# Altium PCB 2416_smart_charger.PcbDoc (part 1 of 2) (continued)
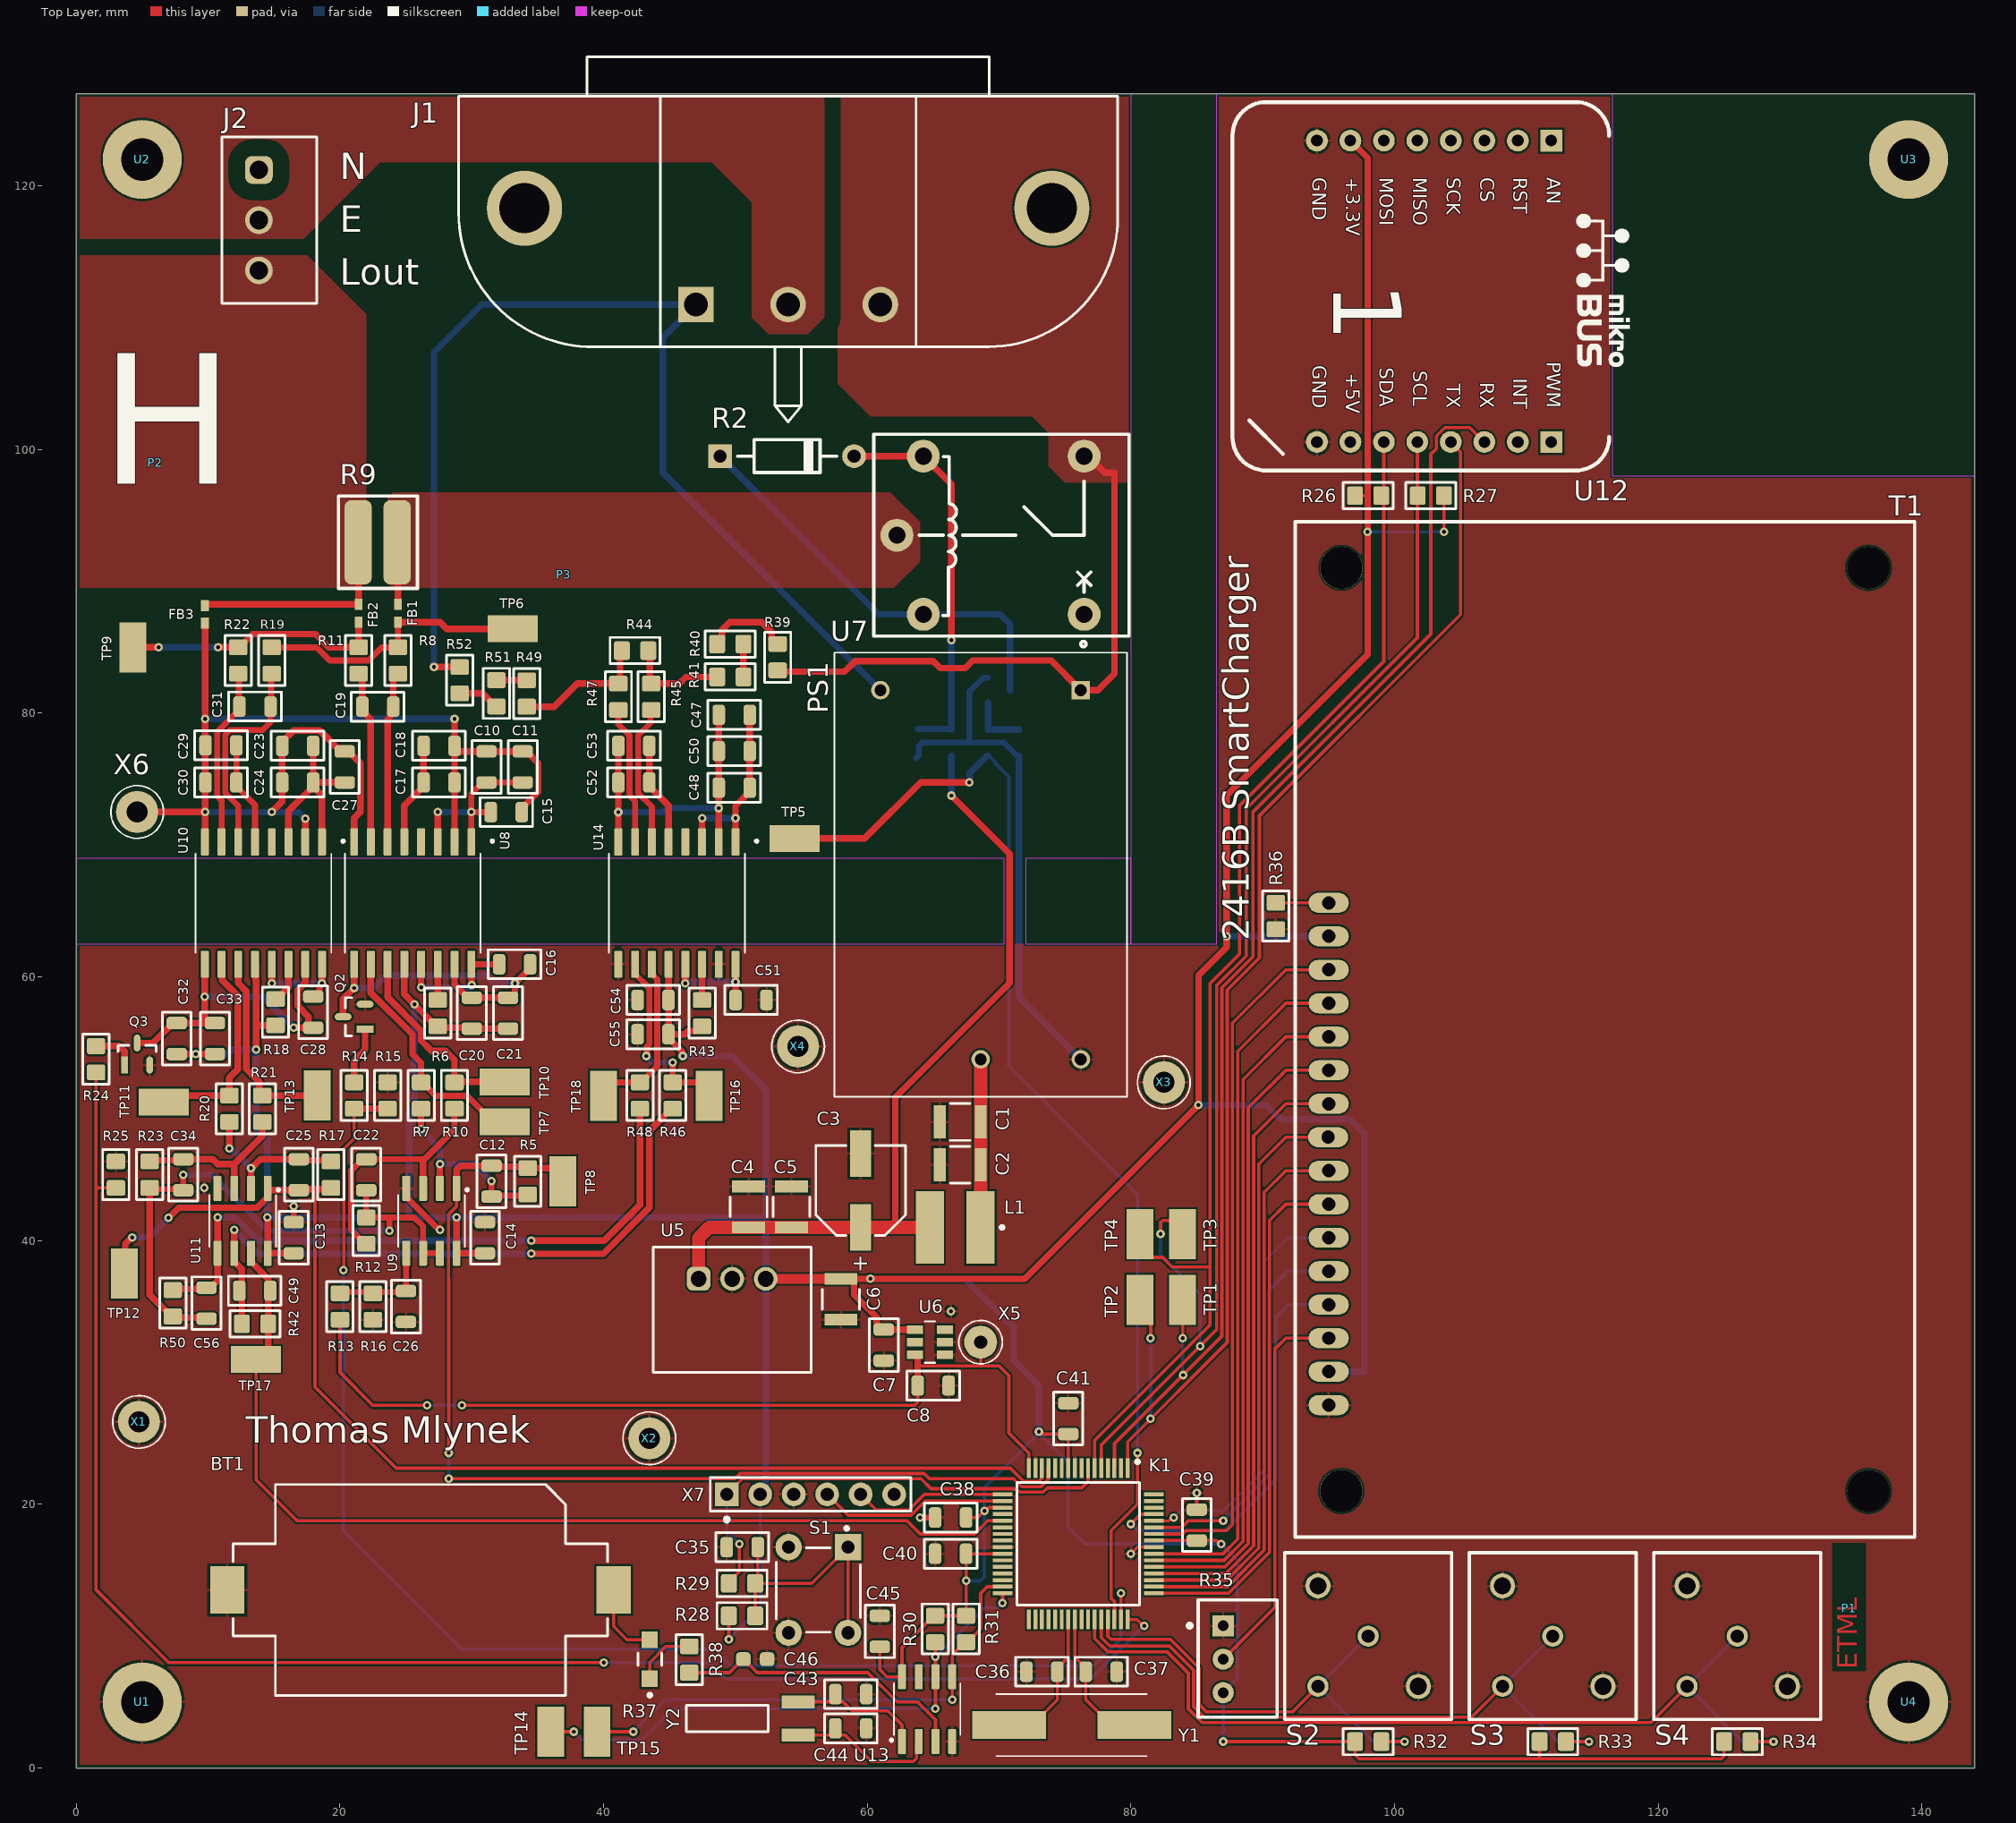
[diagram p0: Top Layer view]
## Components (designator, comment, footprint, x,y, rotation, side; value= is the part's Value field where it differs from the comment)
BT1 "79527141" 79527141 1296.1,1283.5 r0 top
C1 "885012209073" WCAP-CSGP_1210_L3.2W2.5H2.5 67.05,49 r0 top
C2 "885012209073" WCAP-CSGP_1210_L3.2W2.5H2.5 67.05,45.75 r0 top
C3 "865080645012" WCAP-ASLI_D6.3H7.7 59.5,43.8 r270 top
C4 "885012209073" WCAP-CSGP_1210_L3.2W2.5H2.5 51,42.55 r270 top
C5 "885012209073" WCAP-CSGP_1210_L3.2W2.5H2.5 54.25,42.55 r270 top
C6 "885012209074" WCAP-CSGP_1210_L3.2W2.5H2.5 58,35.55 r90 top
C7 "100nF" CAPC2012X08M 61.25,32.075 r90 top
C8 "1uF" CAPC2012X08M 65,29 r180 top value=1µF
C9 "1uF" CAPC2012X08M 63.9,77.7 r270 bottom value=1µF
C10 "1uF" CAPC2012X08M 31.116,75.925 r270 top value=1µF
C11 "1nF" "0805 capacitor" 33.866,75.925 r270 top
C12 "100nF" CAPC2012X08M 31.5,44.5 r270 top
C13 "100nF" CAPC2012X08M 16.492,40.22 r270 top
C14 "100nF" CAPC2012X08M 31,40.22 r270 top
C15 "100nF" CAPC2012X08M 32.616,72.5 r0 top
C16 "100nF" CAPC2012X08M 33.25,60.96 r180 top
C17 "1nF" "0805 capacitor" 27.516,74.75 r180 top
C18 "100nF" CAPC2012X08M 27.516,77.525 r180 top
C19 "10nF" "0805 capacitor" 22.866,80.5 r0 top
C20 "1nF" "0805 capacitor" 30,57.25 r270 top
C21 "1uF" CAPC2012X08M 32.75,57.25 r270 top value=1µF
C22 "100nF" CAPC2012X08M 22,45 r90 top
C23 "1uF" CAPC2012X08M 16.791,77.525 r0 top value=1µF
C24 "1nF" "0805 capacitor" 16.791,74.75 r0 top
C25 "100nF" CAPC2012X08M 16.882,45 r90 top
C26 "100nF" CAPC2012X08M 25,35 r90 top
C27 "100nF" CAPC2012X08M 20.366,75.925 r90 top
C28 "100nF" CAPC2012X08M 17.966,57.325 r90 top
C29 "1nF" "0805 capacitor" 10.971,77.57 r0 top
C30 "100nF" CAPC2012X08M 10.971,74.75 r0 top
C31 "10nF" "0805 capacitor" 13.556,80.508 r0 top
C32 "1nF" "0805 capacitor" 7.616,55.325 r270 top
C33 "1uF" CAPC2012X08M 10.516,55.325 r270 top value=1µF
C34 "100nF" CAPC2012X08M 8.116,45 r90 top
C35 "100nF" CAPC2012X08M 50.516,16.75 r0 top
C36 "22pF" "0805 capacitor" 73.25,7.3 r0 top
C37 "22pF" "0805 capacitor" 77.75,7.3 r180 top
C38 "100nF" CAPC2012X08M 66.325,19 r0 top
C39 "100nF" CAPC2012X08M 85,18.425 r270 top
C40 "100nF" CAPC2012X08M 66.325,16.25 r0 top
C41 "100nF" CAPC2012X08M 75.25,26.5 r270 top
C42 "100nF" CAPC2012X08M 98.875,30.06 r180 bottom
C43 "10pF" "0805 capacitor" 58.75,5.6 r180 top
C44 "10pF" "0805 capacitor" 58.75,3 r180 top
C45 "100nF" CAPC2012X08M 60.95,10.365 r270 top
C46 "100pF" CAPC1608X08M 51.5,8.25 r180 top
C47 "1uF" CAPC2012X08M 49.911,79.875 r0 top value=1µF
C48 "1nF" "0805 capacitor" 49.911,74.35 r0 top
C49 "100nF" CAPC2012X08M 13.537,36.193 r180 top
C50 "100nF" CAPC2012X08M 49.911,77.125 r180 top
C51 "100nF" CAPC2012X08M 51.181,58.25 r180 top
C52 "1nF" "0805 capacitor" 42.291,74.75 r0 top
C53 "100nF" CAPC2012X08M 42.291,77.525 r0 top
C54 "1nF" "0805 capacitor" 43.751,58.25 r0 top
C55 "1uF" CAPC2012X08M 43.751,55.656 r0 top value=1µF
C56 "100nF" CAPC2012X08M 9.876,35.25 r90 top
FB1 "1800Ohm" WE-TMSB_0402_HC 24.401,87.575 r270 top
FB2 "1800Ohm" WE-TMSB_0402_HC 21.416,87.575 r270 top
FB3 "1800Ohm" WE-TMSB_0402_HC 9.746,87.5 r270 top
J1 "IEC-EW-4" IECEW4 47,111 r0 top
J2 "691321300003" 691321300003 14.65,117.4 r270 top
K1 "K" TQFP64 76,17 r270 top
L1 "744774047" WE-PD2_5848 66.675,41 r180 top
P1 "ETML-CU" DRAW-ETML-CU 134.5,12.1 r90 top
P2 "VOLTAGE" DRAW-VOLTAGE 6,99 r0 top
P3 "VOLTAGE" DRAW-VOLTAGE 37,90.5 r0 top
PS1 "IRM-01-12" CONV_IRM-01-5 68.6,67.75 r270 top
Q1 "2N7002-G" FP-2N7002-G-IPC_C 70,81.75 r0 bottom
Q2 "2N7002-G" FP-2N7002-G-IPC_C 21.071,56.978 r180 top
Q3 "2N7002-G" FP-2N7002-G-IPC_C 4.616,54.15 r90 top
R1 "10R" RESC2012X06M 66.375,77.75 r270 bottom value=10
R2 "1N4007" DIOAD1016W86L520D270 53.92,99.5 r0 top
R3 "330R" RESC2012X06M 69.165,77.75 r90 bottom value=330
R4 "33k" RESC2012X06M 71.5,77.75 r90 bottom
R5 "2k2" RESC2012X06M 34.25,44.5 r90 top value=2.2k
R6 "47k" RESC2012X06M 27.421,57.25 r90 top
R7 "1k5" RESC2012X06M 26.151,51 r270 top value=1.5k
R8 "10R" RESC2012X06M 24.401,84 r270 top value=10
R9 "17mR" LTR100 21.383,92.967 r0 top
R10 "1k5" RESC2012X06M 28.691,51 r270 top value=1.5k
R11 "10R" RESC2012X06M 21.416,84 r270 top value=10
R12 "2k2" RESC2012X06M 22,40.75 r270 top value=2.2k
R13 "100k" RESC2012X06M 20,35 r270 top
R14 "330R" RESC2012X06M 21.071,51 r90 top value=330
R15 "33k" RESC2012X06M 23.611,51 r90 top
R16 "100k" RESC2012X06M 22.5,35 r90 top
R17 "2k2" RESC2012X06M 19.317,45 r270 top value=2.2k
R18 "47k" RESC2012X06M 15.116,57.324 r90 top
R19 "10R" RESC2012X06M 14.826,84 r270 top value=10
R20 "1k5" RESC2012X06M 11.616,50 r270 top value=1.5k
R21 "1k5" RESC2012X06M 14.116,50 r270 top value=1.5k
R22 "10R" RESC2012X06M 12.286,84 r270 top value=10
R23 "2k2" RESC2012X06M 5.566,45 r90 top value=2.2k
R24 "330R" RESC2012X06M 1.5,53.75 r90 top value=330
R25 "33k" RESC2012X06M 3,45 r90 top
R26 "2k2" RESC2012X06M 98,96.5 r180 top value=2.2k
R27 "2k2" RESC2012X06M 102.75,96.5 r0 top value=2.2k
R28 "10k" RESC2012X06M 50.5,11.54 r180 top
R29 "1k" RESC2012X06M 50.5,14 r180 top
R30 "2k2" RESC2012X06M 65.15,10.54 r90 top value=2.2k
R31 "2k2" RESC2012X06M 67.5,10.54 r90 top value=2.2k
R32 "10k" RESC2012X06M 98,2 r180 top
R33 "10k" RESC2012X06M 112,2 r180 top
R34 "10k" RESC2012X06M 126,2 r180 top
R35 "10k" Bourns_3299W 87,8.25 r270 top
R36 "18R" RESC2012X06M 91,64.62 r90 top value=18
R37 "NRVB130LSFT1G" FP-498-MFG 43.5,8.25 r90 top
R38 "1k0" RESC2012X06M 46.5,8.225 r90 top value=1k
R39 "560k" RESC2012X06M 53.2,84.25 r270 top
R40 "560k" RESC2012X06M 49.611,85.25 r180 top
R41 "560k" RESC2012X06M 49.611,82.75 r0 top
R42 "2k2" RESC2012X06M 13.556,33.693 r0 top value=2.2k
R43 "47k" RESC2012X06M 47.466,57.25 r90 top
R44 "2k4" "0805 resistor" 42.386,84.75 r0 top
R45 "10R" RESC2012X06M 43.616,81.25 r270 top value=10
R46 "1k5" RESC2012X06M 45.25,51 r270 top value=1.5k
R47 "10R" RESC2012X06M 41.116,81.25 r270 top value=10
R48 "1k5" RESC2012X06M 42.75,51 r270 top value=1.5k
R49 "560k" RESC2012X06M 34.166,81.5 r270 top
R50 "2k2" RESC2012X06M 7.316,35.25 r90 top value=2.2k
R51 "560k" RESC2012X06M 31.866,81.508 r90 top
R52 "560k" RESC2012X06M 29.079,82.504 r270 top
S1 "1P1T-P" TE_1825910-6 56.287,13.5 r270 top
S2 "1241.1082.61" SWITCH_SCHURTER 98,10 r90 top
S3 "1241.1082.61" SWITCH_SCHURTER 112,10 r90 top
S4 "1241.1082.61" SWITCH_SCHURTER 126,10 r90 top
T1 "NHD-0420AZ-FSW-GBW-33V3" NHD-0420AZ-FSW-GBW-33V3 139.46,56.02 r90 top
TP1 "5019" KEYSTONE_5019 83.925,35.5 r90 top
TP2 "5019" KEYSTONE_5019 80.68,35.5 r90 top
TP3 "5019" KEYSTONE_5019 83.925,40.5 r90 top
TP4 "5019" KEYSTONE_5019 80.68,40.5 r90 top
TP5 "5019" KEYSTONE_5019 54.5,70.5 r0 top
TP6 "5019" KEYSTONE_5019 33.1,86.4 r180 top
TP7 "5019" KEYSTONE_5019 32.5,49 r180 top
TP8 "5019" KEYSTONE_5019 36.9,44.5 r90 top
TP9 "5019" KEYSTONE_5019 4.3,85 r270 top
TP10 "5019" KEYSTONE_5019 32.5,52.037 r180 top
TP11 "5019" KEYSTONE_5019 6.616,50.5 r180 top
TP12 "5019" KEYSTONE_5019 3.65,37.5 r270 top
TP13 "5019" KEYSTONE_5019 18.266,51 r90 top
TP14 "5019" KEYSTONE_5019 36,2.75 r90 top
TP15 "5019" KEYSTONE_5019 39.5,2.75 r270 top
TP16 "5019" KEYSTONE_5019 48,50.976 r90 top
TP17 "5019" KEYSTONE_5019 13.631,31 r180 top
TP18 "5019" KEYSTONE_5019 40,50.976 r90 top
U1 "3.2" MECH-PHD320#1 2,-8 r90 top
U2 "3.2" MECH-PHD320#2 3.75,123.25 r90 top
U3 "3.2" MECH-PHD320#3 154,135 r90 top
U4 "3.2" MECH-PHD320#4 141.5,2.75 r90 top
U5 "173020336" WPME-FDSM_SIP-3_17302xx36 49.75,34.75 r0 top
U6 "LT1790-3" "SOT 6" 64.75,32.3 r180 top
U7 "AZ943-1AH-12DE" AZ943-1AH-5DE 64.25,99.5 r0 top
U8 "AMC3301" SOIC127P1030X265-16N 25.516,65.6 r270 top
U9 "TLV6002" "SOIC 8" 26.941,41.5 r270 top
U10 "AMC3302" SOIC127P1030X265-16N 14.191,65.6 r270 top
U11 "TLV6002" "SOIC 8" 12.616,41.5 r270 top
U12 "ESP32-C3-MINI-1" MICRO_BUS 103,112 r270 top
U13 "MCP79411" "SOIC 8" 64.54,4.46 r90 top
U14 "AMC3302" SOIC127P1030X265-16N 45.561,65.6 r270 top
X1 "5011" Keystone_5011 4.75,26.25 r90 top
X2 "5011" Keystone_5011 43.466,25 r90 top
X3 "5011" Keystone_5011 82.5,52 r90 top
X4 "5011" Keystone_5011 54.75,54.726 r90 top
X5 "5000" Keystone_5000 68.6,32.3 r90 top
X6 "5011" Keystone_5011 4.616,72.512 r90 top
X7 "2.54" PIN-1x06-2.54 49.34,20.75 r0 top
Y1 "ABLS-8.000MHZ-B4-T" XTAL_ABLS-8.000MHZ-B4-T 75.5,3.25 r0 top
Y2 "AB26TRB-32.768KHZ-T" FP-AB26TRB-MFG 49.375,3.75 r0 top

## Footprints (in the part's own frame and the unit in brackets; to place one, negate y for a bottom-side part, rotate by r counter-clockwise, add the part's x,y. Pads: shape width x height; smd on the part's side, far side on the other; paste and mask are expansions set on the pad)
"0805 capacitor" [mm]
  rrect50% 0.95x1.55 smd: 1(-1.175,0) 2(1.175,0)
  silkscreen extent -2,-1.1 2,1.1, body extent -1.1,-0.72 1.1,0.72, height 0.85
"0805 resistor" [mm]
  rrect25% 1.2x1.4 smd: 1(-1,0) 2(1,0)
  silkscreen extent -1.9,-1 1.9,1, body extent -1.05,-0.63 1.05,0.63, height 0.6
79527141 [mm] "Battery Holder"
  rect 2.6x3.6 smd: 1(-1255.35,-1270) 2(-1284.65,-1270)
  silkscreen extent -1284.2,-1278 -1255.8,-1262, body extent -1285.95,-1278 -1254.05,-1262, height 5.66
691321300003 [mm] "Vertical PCB Header, pitch 3.81mm, 03p"
  rrect50% 2.1x2.1 hole 1.4: 1(-3.81,-0.8)
  round 2.1 hole 1.4: 2(0,-0.8) 3(3.81,-0.8)
  silkscreen extent -6.31,-3.6 6.31,3.6, body extent -6.31,-3.6 6.31,3.6, height 9.25
AZ943-1AH-5DE [mm] "5V relais"
  round 2.5 hole 1.3: 1(0,0) 2(0,-12) 3(12.2,0) 4(-2,-6) 5(12.2,-12)
  silkscreen extent -3.75,-13.65 15.6,1.65, body extent -3.5,-13.64 15.5,1.64, height 15.65
Bourns_3299W [mm] "Bourns Single-turn trimpot 2.54mm pitch"
  rect 1.6x1.6 hole 0.8: 1(-2.54,0)
  round 1.6 hole 0.8: 2(0,0) 3(2.54,0)
  silkscreen extent -4.5,-2.69 4.4,4.1, body extent -4.5,-1.9 4.4,4.1, height 11.5
CAPC1608X08M [mm] "Chip Capacitor, 2-Leads, Body 1.60x0.80mm, IPC Low Density"
  rrect50% 1.1x1.05 smd: 1(-0.9,0) 2(0.9,0)
  body extent -0.85,-0.45 0.85,0.45, height 0.8
CAPC2012X08M [mm] "Chip Capacitor, 2-Leads, Body 2.00x1.25mm, IPC Low Density"
  rrect50% 0.95x1.55 smd: 1(-1.175,0) 2(1.175,0)
  silkscreen extent -2,-1.1 2,1.1, body extent -1.1,-0.72 1.1,0.72, height 0.85
CONV_IRM-01-5 [mm]
  rect 1.408x1.408 hole 0.9: 1(-14,7.6)
  round 1.408 hole 0.9: 2(-14,-7.6) 3(14,0) 4(14,7.6)
  silkscreen extent -17.7,-11.1 16.85,11.1
DIOAD1016W86L520D270 [mm] "Diode"
  rect 1.8x1.8 hole 1: 1(-5.08,0)
  round 1.8 hole 1: 2(5.08,0)
  silkscreen extent -3.75,-1.25 3.75,1.25, body extent -5.4,-1 5.4,1.01, height 2.2
DRAW-ETML-CU [mm] "Logo ETML cuivre"
DRAW-VOLTAGE [mm] "High voltage symbol"
FP-2N7002-G-IPC_C [mm]
  rect 1.274x0.532 smd paste+0 mask+0: 1(-0.835,0.95)
  rrect100% 1.274x0.532 smd paste+0 mask+0: 2(-0.835,-0.95) 3(0.835,0)
  silkscreen extent 0.18,-1.45 0.65,1.45, body extent -1.18,-1.45 1.18,1.45, height 1.12
FP-498-MFG [mm]
  rect 1.25x1.22 smd paste+0 mask+0: 1(-1.475,0) 2(1.475,0)
  silkscreen extent -2.85,-0.9 0.48,0.9, body extent -2.2,-1 2.2,1, height 0.25
FP-AB26TRB-MFG [mm]
  rect 2.5x1 smd paste+0 mask+0: 1(5.375,1.25) 2(5.375,-1.25)
  silkscreen extent -3.1,-1 3.1,1, body extent -3.2,-1.85 6.73,1.85, height 0.25
IECEW4 [mm]
  rect 2.7x2.7 hole 1.8: 1(0,0)
  round 2.7 hole 1.8: 2(7,0) 3(14,0)
  round 5.7 hole 3.8: 4(-13,7.3) 5(27,7.3)
  silkscreen extent -18,-8.9 32,18.8
Keystone_5000 [mm]
  round 2.5 hole 1 paste-2539.97: 1(0,0)
  silkscreen extent -1.65,-1.65 1.65,1.65, body extent -1.27,-1.27 1.27,1.27, height 4.57
Keystone_5011 [mm]
  round 3.2 hole 1.6 paste-2539.97: 1(0,0)
  silkscreen extent -2,-2 2,2, body extent -1.59,-1.59 1.59,1.59, height 8.13
KEYSTONE_5019 [mm]
  rect 3.8x2.03 smd: TP(0,0)
  body extent -1.91,-1.01 1.91,1.01, height 2.34
LTR100 [mm]
  rrect50% 2.06x6.4 smd: 1(0,0) 2(2.95,0)
  silkscreen extent -1.5,-3.5 4.5,3.5
MECH-PHD320#1 [mm] "Plated hole 3.4mm"
  round 6 hole 3.2 paste-2539.97: 1(13,-3)
MECH-PHD320#2 [mm] "Plated hole 3.4mm"
  round 6 hole 3.2 paste-2539.97: 1(-1.25,-1.25)
MECH-PHD320#3 [mm] "Plated hole 3.4mm"
  round 6 hole 3.2 paste-2539.97: 1(-13,15)
MECH-PHD320#4 [mm] "Plated hole 3.4mm"
  round 6 hole 3.2 paste-2539.97: 1(2.25,2.5)
MICRO_BUS [mil]
  rect 65x65 hole 35: 1(-450,350) 16(450,350)
  round 65 hole 35: 2(-450,250) 3(-450,150) 4(-450,50) 5(-450,-50) 6(-450,-150) 7(-450,-250) 8(-450,-350) 9(450,-350) 10(450,-250) 11(450,-150) 12(450,-50) 13(450,50) 14(450,150) 15(450,250)
  silkscreen extent -565,-602 535,584, body extent -497,-501 520,1195, height 652
NHD-0420AZ-FSW-GBW-33V3 [mm]
  oval 1.524x3.048 hole 1.016: 1(-28.5,44.46) 2(-25.96,44.46) 3(-23.42,44.46) 4(-20.88,44.46) 5(-18.34,44.46) 6(-15.8,44.46) 7(-13.26,44.46) 8(-10.72,44.46) 9(-8.18,44.5) 10(-5.64,44.46) 11(-3.1,44.46) 12(-0.56,44.46) 13(1.98,44.46) 14(4.52,44.46) 15(7.06,44.46) 16(9.6,44.46)
  round 3.2 hole 3.2 unplated: ""(-35,3.5) ""(-35,43.5) ""(35,3.5) ""(35,43.5)
  silkscreen extent -38.5,0 38.5,47
PIN-1x06-2.54 [mm] ".025 SQ Post Terminal Strip Assembly, 1x6 Pins, Vertical, 2.54mm Pitch, Male"
  rect 1.8x1.8 hole 1: 1(0,0)
  round 1.8 hole 1: 2(2.54,0) 3(5.08,0) 4(7.62,0) 5(10.16,0) 6(12.7,0)
  silkscreen extent -1.25,-2.05 13.97,1.27, body extent -1.27,-1.27 13.97,1.27, height 8.6
RESC2012X06M [mm] "Chip Resistor, 2-Leads, Body 2.00x1.25mm, IPC Low Density"
  rrect25% 1.2x1.4 smd: 1(-1,0) 2(1,0)
  silkscreen extent -1.9,-1 1.9,1, body extent -1.05,-0.63 1.05,0.63, height 0.6
SOIC127P1030X265-16N [mm]
  rrect25% 2.06x0.6 smd: 1(-4.64,4.445) 2(-4.64,3.175) 3(-4.64,1.905) 4(-4.64,0.635) 5(-4.64,-0.635) 6(-4.64,-1.905) 7(-4.64,-3.175) 8(-4.64,-4.445) 9(4.64,-4.445) 10(4.64,-3.175) 11(4.64,-1.905) 12(4.64,-0.635) 13(4.64,0.635) 14(4.64,1.905) 15(4.64,3.175) 16(4.64,4.445)
  silkscreen extent -4.8,-5.15 3.75,6.14, body extent -5.15,-5.15 5.15,5.15, height 2.67
"SOIC 8" [mm]
  rrect25% 1.9x0.6 smd: 1(-2.455,1.905) 2(-2.455,0.635) 3(-2.455,-0.635) 4(-2.455,-1.905) 5(2.455,-1.905) 6(2.455,-0.635) 7(2.455,0.635) 8(2.455,1.905)
  silkscreen extent -2.45,-2.52 1.95,2.8
"SOT 6" [mil]
  rect 48x26 smd: 1(-45,37.4) 2(-45,0) 3(-45,-37.4) 4(45,-37.4) 5(45,0) 6(45,37.4)
  silkscreen extent -15,-62 15,62, body extent -55,-57 55,57, height 39
SWITCH_SCHURTER [mm]
  round 1.6 hole 1: 1(0,0) 2(-3.81,3.81)
  round 1.9 hole 1.3: 3(3.81,3.81) 4(-3.81,-3.81)
  silkscreen extent -6.32,-6.32 6.32,6.32, body extent -6.35,-6.35 6.35,6.22, height 17.5
TE_1825910-6 [mm] "Switch Tactile OFF (ON) SPST Round Button PC Pins 0.05A 24VDC 1.57N Thru-Hole Loose Piece"
  rect 2x2 hole 1 paste-2539.97 mask+0: 13(-3.25,2.25)
  round 2 hole 1 paste-2539.97 mask+0: 13(3.25,2.25) 14(-3.25,-2.25) 14(3.25,-2.25)
  silkscreen extent -4.79,-3.2 3.2,3.2, body extent -3.9,-3 3.9,3, height 4.6
TQFP64 [mm]
  rect 1.475x0.3 smd: 1(-5.738,3.75) 2(-5.738,3.25) 3(-5.738,2.75) 4(-5.738,2.25) 5(-5.738,1.75) 6(-5.738,1.25) 7(-5.738,0.75) 8(-5.738,0.25) 9(-5.738,-0.25) 10(-5.738,-0.75) 11(-5.738,-1.25) 12(-5.738,-1.75) 13(-5.738,-2.25) 14(-5.738,-2.75) 15(-5.738,-3.25) 16(-5.738,-3.75) 33(5.738,-3.75) 34(5.738,-3.25) 35(5.738,-2.75) 36(5.738,-2.25) 37(5.738,-1.75) 38(5.738,-1.25) 39(5.738,-0.75) 40(5.738,-0.25) 41(5.738,0.25) 42(5.738,0.75) 43(5.738,1.25) 44(5.738,1.75) 45(5.738,2.25) 46(5.738,2.75) 47(5.738,3.25) 48(5.738,3.75)
  rect 0.3x1.475 smd: 17(-3.75,-5.738) 18(-3.25,-5.738) 19(-2.75,-5.738) 20(-2.25,-5.738) 21(-1.75,-5.738) 22(-1.25,-5.738) 23(-0.75,-5.738) 24(-0.25,-5.738) 25(0.25,-5.738) 26(0.75,-5.738) 27(1.25,-5.738) 28(1.75,-5.738) 29(2.25,-5.738) 30(2.75,-5.738) 31(3.25,-5.738) 32(3.75,-5.738) 49(3.75,5.738) 50(3.25,5.738) 51(2.75,5.738) 52(2.25,5.738) 53(1.75,5.738) 54(1.25,5.738) 55(0.75,5.738) 56(0.25,5.738) 57(-0.25,5.738) 58(-0.75,5.738) 59(-1.25,5.738) 60(-1.75,5.738) 61(-2.25,5.738) 62(-2.75,5.738) 63(-3.25,5.738) 64(-3.75,5.738)
  silkscreen extent -6.35,-4.65 4.65,4.65
WCAP-ASLI_D6.3H7.7 [mm] "Aluminium Electrolytic V-Chip SMT Capacitors, 6.3x7.7mm"
  rect 3.5x1.6 smd: 1(2.8,0) 2(-2.8,0)
  silkscreen extent -3.4,-3.4 3.4,3.4, body extent -3.65,-3.3 3.65,3.3, height 7.7
WCAP-CSGP_1210_L3.2W2.5H2.5 [mm] "Ceramic Capacitors, body 3.2x2.5mm"
  rect 0.9x2.5 smd: 1(-1.55,0) 2(1.55,0)
  silkscreen extent -0.75,-1.4 0.75,1.4, body extent -1.6,-1.25 1.6,1.25, height 2.5
WE-PD2_5848 [mm] "SMD Power Inductor, 2-Leads, body 5.8x5.2mm"
  rect 2.15x5.5 smd: 1(-1.925,0) 2(1.925,0)
  silkscreen extent -3.68,-0.12 -3.43,0.12, body extent -2.9,-2.6 2.89,2.6, height 4.48
WE-TMSB_0402_HC [mm]
  rect 0.85x0.6 smd: 1(-0.675,0) 2(0.675,0)
WPME-FDSM_SIP-3_17302xx36 [mm] "Fixed Step Down Regulator Module, SIP-3, body 11.50 x 9.00 mm"
  rrect50% 1.8x1.8 hole 1.2: 1(-2.54,2.35)
  round 1.8 hole 1.2: 2(0,2.35) 3(2.54,2.35)
  silkscreen extent -6,-4.75 6,4.75, body extent -5.75,-4.5 5.75,4.5, height 17.6
XTAL_ABLS-8.000MHZ-B4-T [mm]
  rect 5.6x2.1 smd: 1(-4.75,0) 2(4.75,0)
  silkscreen extent -5.7,-2.35 5.7,2.35, body extent -6.35,-2.35 6.35,2.35, height 4.06

## Part data
BT1: library part CMP-207973-000001-3, "Battery Holder, 12VDC, 30 Mohm, 2032 Battery Type, White, SMT Mount", Current Rating=500mA, Insulation Resistance=100MΩ, Max Operating Temperature=85°C, Min Operating Temperature=-25°C, Contact Material="Gold, Nickel", Height=5.75mm, Number of Contacts=2, RoHS=Compliant
C1 C2 C4 C5: library part CMP-207839-000059-3, "Cap, 10Uf, 50V, Mlcc, 1210 Rohs Compliant: Yes", Capacitance=10µF, Case/Package=1210, Insulation Resistance=10MΩ, Max Operating Temperature=125°C, Min Operating Temperature=-55°C, Tolerance=10%, Voltage Rating=50V, Height=2.5mm, Length=3.2mm, Material=Ceramic, RoHS=Compliant, Width=2.5mm
C3: library part CMP-03913-53914620-2, "WCAP-ASLI Aluminum Electrolytic Capacitors", Capacitance=47µF, Case/Package=Radial, ESR (Equivalent Series Resistance)=540.449mΩ, Insulation Resistance=2.12766MΩ, Leakage Current=23.5µA, Max Operating Temperature=105°C, Min Operating Temperature=-55°C, Ripple Current=230mA, Voltage Rating=50V, Diameter=6.3mm, Height=7.7mm, Impedance=700mΩ, Length=7.7mm, Life (Hours)=2000hours, Packaging="Cut Tape", REACH SVHC=Unknown, Ripple Current (AC)=230mA, RoHS=Compliant, Voltage Rating (DC)=50V, Width=6.6mm
C6: library part CMP-207839-000058-3, "Cap, 22Uf, 25V, Mlcc, 1210 Rohs Compliant: Yes", Capacitance=22µF, Insulation Resistance=5MΩ, Max Operating Temperature=125°C, Min Operating Temperature=-55°C, Voltage Rating=25V, Height=2.5mm, Length=3.2mm, RoHS=Compliant, Width=2.5mm
C7 C12 C13 C14 C15 C16 C18 C22 C25 C26 C27 C28 C30 C34 C35 C38 C39 C40 C41 C42 C45 C49 C50 C51 C53 C56: library part CMP-065-000038-2, "CAPC 100nF X7R 50V 10% 2012 (0805 INCH)", Dielectric=X7R, Manufacturer=TDK, Manufacturer Number=C2012X7R1H104K085AA, Supplier Part Number 1="FAB.0805_C 100n", TemperatureRange="-55°C to +125°C", Tolerance=±10%, Voltage=50V, Category=Passives, IsStocked=1, PN=PN-747862, SubCategory="Condensateurs ceramique", Supplier 1=ETML, Supplier Price 1=0.0200
C8 C9 C10 C21 C23 C33 C47 C55: library part CMP-065-000041-2, "CAPC 1uF X5R 25V 10% 2012 (0805 INCH)", Dielectric=X5R, Manufacturer=TDK, Manufacturer Number=C2012X5R1E105K125AA, Supplier Part Number 1="FAB.0805_C 1u", TemperatureRange="-55°C to +85°C", Tolerance=±10%, Voltage=25V, Category=Passives, IsStocked=1, PN=PN-324029, SubCategory="Condensateurs ceramique", Supplier 1=ETML, Supplier Price 1=0.0223
C11 C17 C20 C24 C29 C32 C48 C52 C54: "CAP 1nF 50V"
C19 C31: "CAP 10nF 50V"
C46: library part CMP-065-000016-2, "CAPC 100pF C0G 50V 5% 1608 (0603 INCH)", Dielectric=C0G, Manufacturer=TDK, Manufacturer Number=CGA3E2C0G1H101J080AA, Supplier Part Number 1="FAB.0603_C 100pF", TemperatureRange="-55°C to +125°C", Tolerance=±5%, Voltage=50V, Category=Passives, IsStocked=1, PN=PN-329198, SubCategory="Condensateurs ceramique", Supplier 1=ETML, Supplier Price 1=0.0185
FB1 FB2 FB3: library part 74269244182, "WE-TMSB Tiny Multilayer Suppression Bead, size 0402, 1800Ohm, 0.21A", Case/Size Code=0402, DC Resistance=1910mOhm, Manufacturer="Wurth Elektronik", Operating Temperature Max=125°C, Operating Temperature Min=-55°C, Rated Current=0.21A, Category="Ferrites for PCB Assembly", ComponentLink1Description="Website Link", ComponentLink1URL=https://www.we-online.com/redexpert/article/74269244182?ad, ComponentLink2Description="Datasheet Link", ComponentLink2URL=https://www.we-online.com/redexpert/spec/74269244182?ad, Height=0.5mm, Impedance @1GHz=1500Ohm, Impedance @100MHz=1800Ohm, Impedance Max=2700Ohm, Impedance Max Test Condition=450MHz, Length=1mm, Manufacturer Part Number=74269244182, Match Code=WE-TMSB, Mount="Surface Mount", Packaging="Tape and Reel", Type="High Frequency", Width=0.5mm
J1: library part IEC-EW-4_1, "Power Entry Connector Receptacle, Male Blades IEC 320-C14 Panel Mount, Flange; Through Hole, Right Angle , 15A , 250VAC", Manufacturer_Name="Adam Tech", Mouser Part Number=737-IEC-EW-4, Arrow Part Number=IEC-EW-4, Arrow Price/Stock=https://www.arrow.com/en/products/iec-ew-4/adam-tech, Datasheet Link=https://app.adam-tech.com/products/download/data_sheet/203624/iec-ew-4-data-sheet.pdf, Geometry.Height=28.1686mm, Manufacturer_Part_Number=IEC-EW-4, Mouser Price/Stock=https://www.mouser.co.uk/ProductDetail/Adam-Tech/IEC-EW-4?qs=TTVbHWoAP%2FR9RTj60Q%2FRRg%3D%3D
J2: library part CMP-1502-01864-3, "321; 3.81MM Pitch Straight Pluggable Term Block, Pcb Header, Through Hole, 3 Way", Color=Green, Current=20A, Voltage=300V, Contact Material=Brass, Contact Plating=Tin, Gender=Male, Height=12.7mm, Lead Pitch=3.81mm, Length=7mm, Mount="Through Hole", Number of Contacts=3, Number of Levels=1, Number of Pins=3, Number of Positions Per Level=3, Number of Rows=1, Orientation=Vertical, Packaging=Box, Pitch=3.81mm, RoHS=Compliant, Termination=Solder, Width=16.33mm
K1: library part PIC32MK1024GPD064
L1: library part CMP-0227-00442-3, "Fixed Ind 4.7UH 3A 71 Mohm SMD", Ambient Temperature Range High=85°C, Ambient Temperature Range Low=-40°C, Case/Package=Nonstandard, Current Rating=3A, DC Resistance (DCR)=56mΩ, Inductance=4.7µH, Inductance Tolerance=20%, Max Operating Temperature=125°C, Saturation Current=5.5A, Self Resonant Frequency=33MHz, Test Frequency=10kHz, Composition=Wirewound, Core Material=Ferrite, Height=4.5mm, Height - Seated (Max)=4.8514mm, Lead Free="Lead Free", Length=5.2mm, Max DC Current=3A, Min Operating Temperature=-40°C, Mount="Surface Mount", Number of Pins=2, RMS Current (Irms)=3A, RoHS=Compliant, Shielding=Unshielded, Termination=SMD/SMT, Tolerance=20%, Width=5.8mm
P1: library part CMP-064-000000-1, "Logo ETML", Category=Others, IsStocked=False, PN=PN-439033, SubCategory=Dessins
P2 P3: library part CMP-064-000009-1, "Logo warning high voltage", Category=Others, IsStocked=False, PN=PN-916652, SubCategory=Dessins
PS1: "Enclosed AC DC Converters 1 Uitgang 12V 200mA 85 ~ 305 VAC, 120 ~ 430 VDC Input", Package="DIP-4 Mean Well", Digi-Key_Part_Number=1866-2998-ND, Digi-Key_Purchase_URL=https://www.digikey.com/product-detail/en/mean-well-usa-inc/IRM-01-5/1866-2998-ND/7704616?utm_source=snapeda&utm_medium=aggregator&utm_campaign=symbol, MF="MEAN WELL", MP=IRM-01-5, SnapEDA_Link=https://www.snapeda.com/parts/IRM-01-5/MEAN%20WELL%20USA%20Inc./view-part/604347/?ref=snap
Q1 Q2 Q3: library part CMP-06369-000003-1, "MOSFET N-CH 60V 0.115A SOT23-3", Ambient Temperature Range High=+150°C, Ambient Temperature Range Low=-55°C, Continuous Drain Current=115mA, Drain To Source Breakdown Voltage=60V, Drain To Source Resistance=7.5Ω, Gate To Source Voltage=30V, Input Capacitace At Vds="50pF @ 25V", Manufacturer=Microchip, Power Dissipation=0.36W, Pulse Drain Current=800mA, Temperature="-55°C to +150°C", Typ Forward Diode Voltage=1.2V, Automotive=No, Category=Trans, ComponentLink2Description=Datasheet, ComponentLink2URL=http://ww1.microchip.com/downloads/en/DeviceDoc/2N7002-N-Channel-Enhancement-Mode-Vertical-DMOS-FET-Data-Sheet-20005797A.pdf, Depletion Mode=False, Device Class L1="Discrete Semiconductors", Device Class L2=Transistors, Device Class L3=MOSFETs, Digikey Description="MOSFET N-CH 60V 0.115A SOT23-3", Drain To Source Voltage=60V, Height=1.12mm, Ipc Land Pattern Name=SOT95P237X100-3, Lead Free=Yes, Manufacturer Part Number=2N7002-G, Mouser Description="Mosfet; N-channel Enhancement Mode; 60V; 7.5 OHM3 SOT-23T/R", Number Of Channels=1, Number Of N Channels=1, Octopart=https://octopart.com/2n7002-g-microchip-47153309, Package=2N7002-G, Reverse Recovery Time=400ns, RoHS=TRUE, Rthja Max=203°C/W, Standoff Height=0.01mm, Temperature Range High=+150°C, Temperature Range Low=-55°C, Threshold Vgs Max=2.5V, Threshold Vgs Min=1V, Turn Off Delay Time=20ns, Turn On Delay Time=20ns
R1 R8 R11 R19 R22 R45 R47: library part CMP-066-000163-2, "RES 10ohm  ±1% 0.125W 2012 (0805 INCH)", Manufacturer=Yageo, Manufacturer Number=RC0805FR-0710RL, Power=0.125W, Supplier Part Number 1="FAB.0805_R 10R", TemperatureCoeff=±200ppm/°C, TemperatureRange="-55°C to 155°C", Tolerance=±1%, Voltage=150V, Category=Passives, IsStocked=1, PN=PN-589410, SubCategory="Resistances couche epaisse", Supplier 1=ETML, Supplier Price 1=0.0200
R2: library part CMP-057-000000-2, "DIO 1N4007 0.8V 1A 1kV  Axial", Current=1A, Manufacturer="ON Semicoductor", Manufacturer Number=1N4007RLG, Supplier Part Number 1=2317678, TemperatureRange="-65°C to +175°C", Voltage=1kV, Category=DiscreteSemiconductors, IsStocked=0, PN=PN-172199, SubCategory=Diodes, Supplier 1=Farnell, Supplier Price 1=0.0239
R3 R14 R24: library part CMP-066-000181-2, "RES 330ohm  ±1% 0.125W 2012 (0805 INCH)", Manufacturer=Yageo, Manufacturer Number=RC0805FR-07330RL, Power=0.125W, Supplier Part Number 1="FAB.0805_R 330R", TemperatureCoeff=±200ppm/°C, TemperatureRange="-55°C to 155°C", Tolerance=±1%, Voltage=150V, Category=Passives, IsStocked=1, PN=PN-932159, SubCategory="Resistances couche epaisse", Supplier 1=ETML, Supplier Price 1=0.0200
R4 R15 R25: library part CMP-066-000205-2, "RES 33kohm  ±1% 0.125W 2012 (0805 INCH)", Manufacturer=Yageo, Manufacturer Number=RC0805FR-0733KL, Power=0.125W, Supplier Part Number 1="FAB.0805_R 33k", TemperatureCoeff=±200ppm/°C, TemperatureRange="-55°C to 155°C", Tolerance=±1%, Voltage=150V, Category=Passives, IsStocked=1, PN=PN-189159, SubCategory="Resistances couche epaisse", Supplier 1=ETML, Supplier Price 1=0.0200
R5 R12 R17 R23 R26 R27 R30 R31 R42 R50: library part CMP-066-000191-2, "RES 2.2kohm  ±1% 0.125W 2012 (0805 INCH)", Manufacturer=Yageo, Manufacturer Number=RC0805FR-072K2L, Power=0.125W, Supplier Part Number 1="FAB.0805_R 2k2", TemperatureCoeff=±200ppm/°C, TemperatureRange="-55°C to 155°C", Tolerance=±1%, Voltage=150V, Category=Passives, IsStocked=1, PN=PN-322576, SubCategory="Resistances couche epaisse", Supplier 1=ETML, Supplier Price 1=0.0200
R6 R18 R43: library part CMP-066-000207-2, "RES 47kohm  ±1% 0.125W 2012 (0805 INCH)", Manufacturer=Yageo, Manufacturer Number=RC0805FR-0747KL, Power=0.125W, Supplier Part Number 1="FAB.0805_R 47k", TemperatureCoeff=±200ppm/°C, TemperatureRange="-55°C to 155°C", Tolerance=±1%, Voltage=150V, Category=Passives, IsStocked=1, PN=PN-427242, SubCategory="Resistances couche epaisse", Supplier 1=ETML, Supplier Price 1=0.0200
R7 R10 R20 R21 R46 R48: library part CMP-066-000189-2, "RES 1.5kohm  ±1% 0.125W 2012 (0805 INCH)", Manufacturer=Yageo, Manufacturer Number=RC0805FR-071K5L, Power=0.125W, Supplier Part Number 1="FAB.0805_R 1k5", TemperatureCoeff=±200ppm/°C, TemperatureRange="-55°C to 155°C", Tolerance=±1%, Voltage=150V, Category=Passives, IsStocked=1, PN=PN-984492, SubCategory="Resistances couche epaisse", Supplier 1=ETML, Supplier Price 1=0.0200
R9: library part Rshunt
R13 R16: library part CMP-066-000211-2, "RES 100kohm  ±1% 0.125W 2012 (0805 INCH)", Manufacturer=Yageo, Manufacturer Number=RC0805FR-07100KL, Power=0.125W, Supplier Part Number 1="FAB.0805_R 100k", TemperatureCoeff=±200ppm/°C, TemperatureRange="-55°C to 155°C", Tolerance=±1%, Voltage=150V, Category=Passives, IsStocked=1, PN=PN-903408, SubCategory="Resistances couche epaisse", Supplier 1=ETML, Supplier Price 1=0.0200
R28 R32 R33 R34: library part CMP-066-000199-2, "RES 10kohm  ±1% 0.125W 2012 (0805 INCH)", Manufacturer=Yageo, Manufacturer Number=RC0805FR-0710KL, Power=0.125W, Supplier Part Number 1="FAB.0805_R 10k", TemperatureCoeff=±200ppm/°C, TemperatureRange="-55°C to 155°C", Tolerance=±1%, Voltage=150V, Category=Passives, IsStocked=1, PN=PN-374909, SubCategory="Resistances couche epaisse", Supplier 1=ETML, Supplier Price 1=0.0200
R29 R38: library part CMP-066-000187-2, "RES 1.0kohm  ±1% 0.125W 2012 (0805 INCH)", Manufacturer=Yageo, Manufacturer Number=RC0805FR-071KL, Power=0.125W, Supplier Part Number 1="FAB.0805_R 1k0", TemperatureCoeff=±200ppm/°C, TemperatureRange="-55°C to 155°C", Tolerance=±1%, Voltage=150V, Category=Passives, IsStocked=1, PN=PN-746409, SubCategory="Resistances couche epaisse", Supplier 1=ETML, Supplier Price 1=0.0200
R35: library part CMP-066-000225-2, "RESADJ 10kohm Cermet 25 turns", Manufacturer="Bourns Incorporated", Manufacturer Number=3299W-1-103LF, Power=500mW, Supplier Part Number 1=9353704, TemperatureCoeff=±100ppm/°C, TemperatureRange="-55°C to +125°C", Tolerance=±10%, Category=Passives, IsStocked=0, PN=PN-671947, SubCategory="Resistances ajustables", Supplier 1=Farnell, Supplier Price 1=3.5400
R36: library part CMP-066-000166-2, "RES 18ohm  ±1% 0.125W 2012 (0805 INCH)", Manufacturer=Yageo, Manufacturer Number=RC0805FR-0718RL, Power=0.125W, Supplier Part Number 1="FAB.0805_R 18R", TemperatureCoeff=±200ppm/°C, TemperatureRange="-55°C to 155°C", Tolerance=±1%, Voltage=150V, Category=Passives, IsStocked=1, PN=PN-496535, SubCategory="Resistances couche epaisse", Supplier 1=ETML, Supplier Price 1=0.0200
R37: library part CMP-00278-51167436-1, "NRVB130LSFT1G Rectifier Diode, Schottky, 1 Phase, 1 Element, 1A, 30V V(RRM), Silicon", Average Rectified Current=1A, Forward Voltage=380mV, Manufacturer Lifecycle Status=ACTIVE, Max Forward Surge Current (Ifsm)=40A, Max Junction Temperature (Tj)=125°C, Max Repetitive Reverse Voltage (Vrrm)=30V, Min Operating Temperature=-55°C, Peak Reverse Current=1mA, Forward Current=1A, Height=980µm, Lead Free="Lead Free", Lifecycle Status=Production, Max Operating Temperature=125°C, Max Reverse Voltage (DC)=30V, Mount="Surface Mount", NexarPartId=51167436, Packaging="Tape & Reel (TR)", Reverse Voltage=30V, RoHS=Compliant, Schedule B=8541100080
R39 R40 R41 R49 R51 R52: library part CMP-066-000220-2, "RES 560kohm  ±1% 0.125W 2012 (0805 INCH)", Manufacturer=Yageo, Manufacturer Number=RC0805FR-07560KL, Power=0.125W, Supplier Part Number 1="FAB.0805_R 560k", TemperatureCoeff=±200ppm/°C, TemperatureRange="-55°C to 155°C", Tolerance=±1%, Voltage=150V, Category=Passives, IsStocked=1, PN=PN-624783, SubCategory="Resistances couche epaisse", Supplier 1=ETML, Supplier Price 1=0.0200
R44: "0805"
S1: library part CMP-058-000005-1, "SW 600X600X500 24V 50mA THT", Current=50mA, Manufacturer="TE Connectivity", Manufacturer Number=1825910-6, Supplier Part Number 1=135-66-547, TemperatureRange="-35°C to +85 °C", Voltage=24V, Category=Electromechanical, IsStocked=True, PN=PN-638027, SubCategory=Commutateurs, Supplier 1="Distrelec AG", Supplier Price 1=0.1642
TP1 TP2 TP3 TP4 TP5 TP6 TP7 TP8 TP9 TP10 TP11 TP12 TP13 TP14 TP15 TP16 TP17 TP18: "SMT Test Point- Mininature-1000 pc Reels", Package=None, Availability="In Stock", MF="Keystone Electronics", MP=5019, Price=None, Purchase-URL=https://pricing.snapeda.com/search/part/5019/?ref=eda
U1 U2 U3 U4: library part CMP-063-000019-1, "Plated Hole  3.2mm", Category=Others, IsStocked=False, PN=PN-781782, SubCategory=Mecaniques
U5: library part CMP-03913-162519123-1, "Wpme-fdsm Fixed Step Down Regula"
U7: "12VDC - 277VAC Relay"
U13: library part MCP79410, "RTC"
X1 X2 X3 X4 X6: library part CMP-054-000005-1, "TEST THT MULTIPURPOSE BK", Manufacturer=Keystone, Supplier Part Number 1=MAG.428.014, Category=Connectors, IsStocked=True, Manufacturer Number=5011, PN=PN-926990, SubCategory=Testpoints, Supplier 1=ETML, Supplier Price 1=0.2439
X5: library part CMP-054-000002-1, "TEST THT MINIATURE RD", Manufacturer=Keystone, Supplier Part Number 1=MAG.428.012, Category=Connectors, IsStocked=True, Manufacturer Number=5000, PN=PN-119866, SubCategory=Testpoints, Supplier 1=ETML, Supplier Price 1=0.2708
X7: library part CMP-055-000011-1, "PIN HEADER 2.54 1x06", Current=3A, Manufacturer="Würth Electronik", Manufacturer Number=61300411121, Supplier Part Number 1=MAG.283.897, TemperatureRange="-40°C to +105°C", Voltage=250V, Category=Connectors, IsStocked=True, PN=PN-823777, SubCategory="Pin Header", Supplier 1=ETML, Supplier Price 1=1.2
Y2: library part CMP-27762-006068-1, "CRYSTAL 32.7680KHZ 12.5PF TH", Case/Package=Radial, ESR (Equivalent Series Resistance)=50kR, Frequency=32.768kHz, Frequency Stability=-0.034ppm, Frequency Tolerance=20ppm, Load Capacitance=12.5pF, Max Operating Temperature=85°C, Min Operating Temperature=-40°C, Operating Frequency="32.768 kHz", Package Quantity=500, Depth=1.9mm, Height=0.075inch, Lead Free="Lead Free", Lead Pitch=2.54mm, Length=6mm, Mount="Surface Mount", Number of Pins=2, Packaging="Tape and Reel", REACH SVHC="No SVHC", Series=AB26TRB, Series Resistance=50kR, Termination=Radial, Tolerance=20ppm

## Via types
v1: diameter 0.65, hole 0.3, Top Layer to Bottom Layer, 94 vias

## Nets (pads, with @x,y where several pads share a name; then routed paths per layer and width w, separated by ;. In a path a pad name is that pad's centre, name@x,y a point inside that pad or via, vN(x,y) a via of type N, cw(c..) or ccw(c..) an arc to the next point about the centre after c; other vN are vias at no path point)
+3.3V: C6.2 C7.2 C13.2 C14.2 C20.2 C21.2 C32.2 C33.2 C38.2 C39.2 C40.2 C41.2 C42.2 C45.2 C54.2 C55.2 K1.10 K1.19 K1.26 K1.57 R6.1 R18.1 R26.2 R27.2 R28.2 R30.2 R31.2 R32.2 R33.2 R34.2 R35.3 R43.1 T1.2 T1.15 U5.3 U6.4 U8.12 U9.8 U10.12 U11.8 U12.7 U13.8 U14.12 X7.2 | length 487.2
  Top Layer w0.25: v1(49.5,9.75) R28.2@49.5,11.54 ; C6.2@58,37.1 C6.2@58.8,37.1 ; C45.2@60.95,9.19 60.95,7.465 61.5,6.915 U13.8@62.635,6.915 62.635,9.125 65.05,11.54 R30.2@65.15,11.54 R31.2@67.5,11.54 67.5,12.869 v1(67.5,14.191) C40.2@67.5,16.25 K1.26@70.262,16.25 ; C38.2@67.5,19 68.381,19 v1(68.881,19.5) 68.962,19.5 69.212,19.75 K1.19@70.262,19.75 ; v1(73.017,25.5) 73.125,25.5 73.3,25.325 C41.2@75.25,25.325 K1.10@75.25,22.738 ; K1.57@81.738,17.25 C39.2@85,17.25 86.485,17.25 86.735,17 v1(86.843,17) ; v1(87,2.005) 87.005,2 R32.2@97,2 97,1 97.3,0.7 111.05,0.7 ; R26.2@97,96.5 97.961,96.5 ; v1(103.75,93.75) R27.2@103.75,96.5 ; R33.2@111,2 111,0.75 111.05,0.7 ; R34.2@125,2 125,0.9 124.8,0.7 111.05,0.7
  Top Layer w0.5: C32.2@7.616,54.15 v1(9.066,54.15) C33.2@10.516,54.15 ; U10.12@13.556,60.96 13.606,60.91 13.606,59.76 13.631,59.735 13.631,56.324 ; v1(13.631,54.481) 13.631,56.324 ; v1(14.5,41.75) 14.521,41.729 U11.8@14.521,39.045 C13.2@16.492,39.045 ; R18.1@15.116,56.324 13.631,56.324 ; U8.12@24.881,60.96 24.881,58.69 v1(25.642,57.928) 27.408,56.162 29.913,56.162 C20.2@30,56.075 C21.2@32.75,56.075 ; v1(28.846,41.75) U9.8@28.846,39.045 C14.2@31,39.045 ; U14.12@44.926,60.96 C54.2@44.926,58.25 C55.2@44.926,55.656 ; v1(46,54) 45.971,54.029 45.971,54.31 44.926,55.356 C55.2@44.926,55.656 ; R43.1@47.466,56.25 47.116,55.9 46.395,55.9 46.151,55.656 C55.2@44.926,55.656 ; C6.2@58.8,37.1 59,36.9 59,35.9 60.725,34.175 60.725,33.475 60.95,33.25 C7.2@61.25,33.25 U6.4@63.607,33.25 ; C6.2@59,37.1 v1(60.25,37.1) 71.938,37.1 v1(85.108,50.269) 85.134,50.295 85.134,60.134 87.25,62.25 v1(87.25,63.08) 87.25,73.75 97.961,84.461 v1(97.961,93.75) 97.961,96.5 97.961,122.119 U12.7@96.65,123.43
  Top Layer w0.75: U5.3@52.29,37.1 C6.2@58,37.1
  Bottom Layer w0.25: v1(49.5,9.75) 51.88,12.13 X7.2@51.88,20.75 ; v1(67.5,14.191) 68.572,14.191 68.881,14.5 v1(68.881,19.5) 68.881,21.256 v1@73.017,25.392 ; v1(73.017,25.5) v1@73.017,25.392 ; v1(87,2.005) R35.3@87,5.71 88.076,6.786 88.076,15.767 v1(86.843,17) 76.5,17 75.25,18.25 75.25,23.159 v1@73.017,25.392 ; v1(97.961,93.75) v1(103.75,93.75)
  Bottom Layer w0.5: v1(9.066,54.15) 11.42,54.15 11.751,54.481 v1(13.631,54.481) 13.631,48.55 14.5,47.681 v1(14.5,41.75) 25.25,41.75 ; v1(25.642,57.928) 25.642,50.015 25.25,49.623 25.25,41.75 ; v1(46,54) 49.75,54 52.29,51.46 52.29,41.75 ; X7.2@51.88,20.75 51.88,21.102 52.29,21.512 U5.3@52.29,37.1 52.29,41.75 ; v1(60.25,37.1) 67.4,37.1 71.098,33.402 71.098,30.917 73.017,28.998 v1(73.017,25.5) ; v1(85.108,50.269) 90.276,50.269 91.345,49.2 96.6,49.2 97.7,48.1 C42.2@97.7,30.06 T1.2@95,30.06 ; v1(87.25,63.08) T1.15@95,63.08 ; 25.25,41.75 v1(28.846,41.75) 52.29,41.75